# KiCad board jorian.kicad_pcb
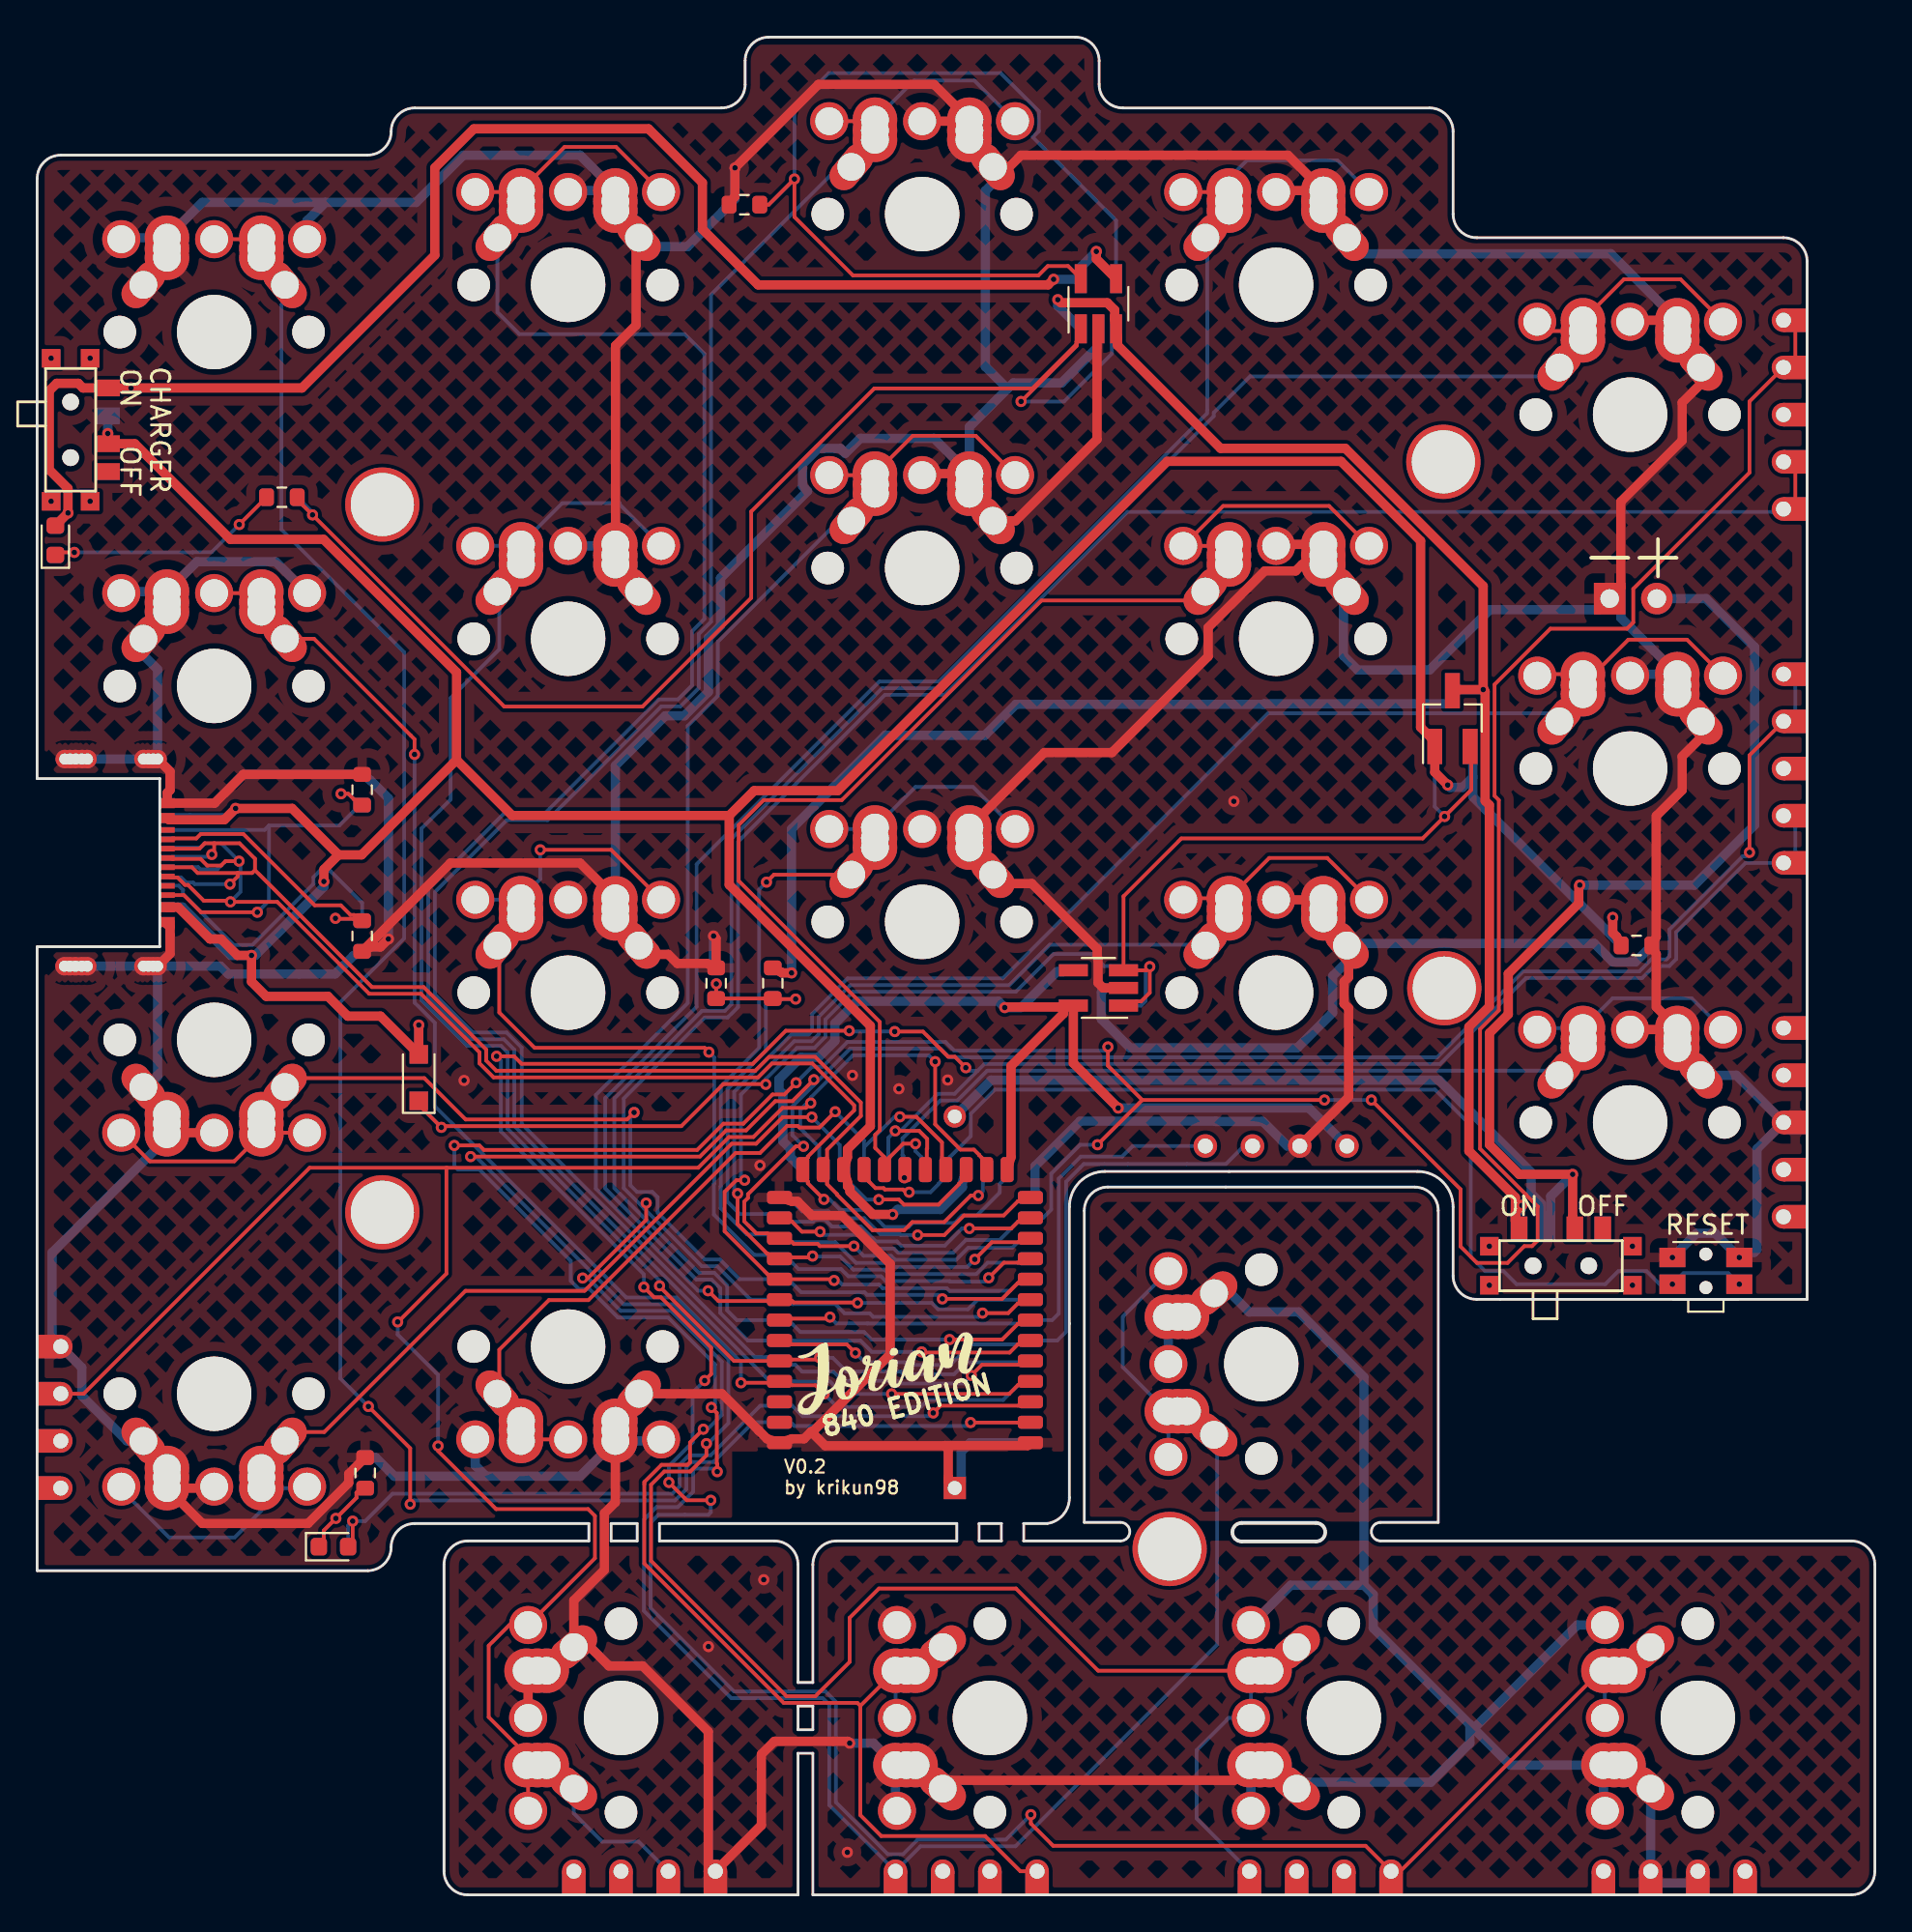
[diagram p0: board, top side]
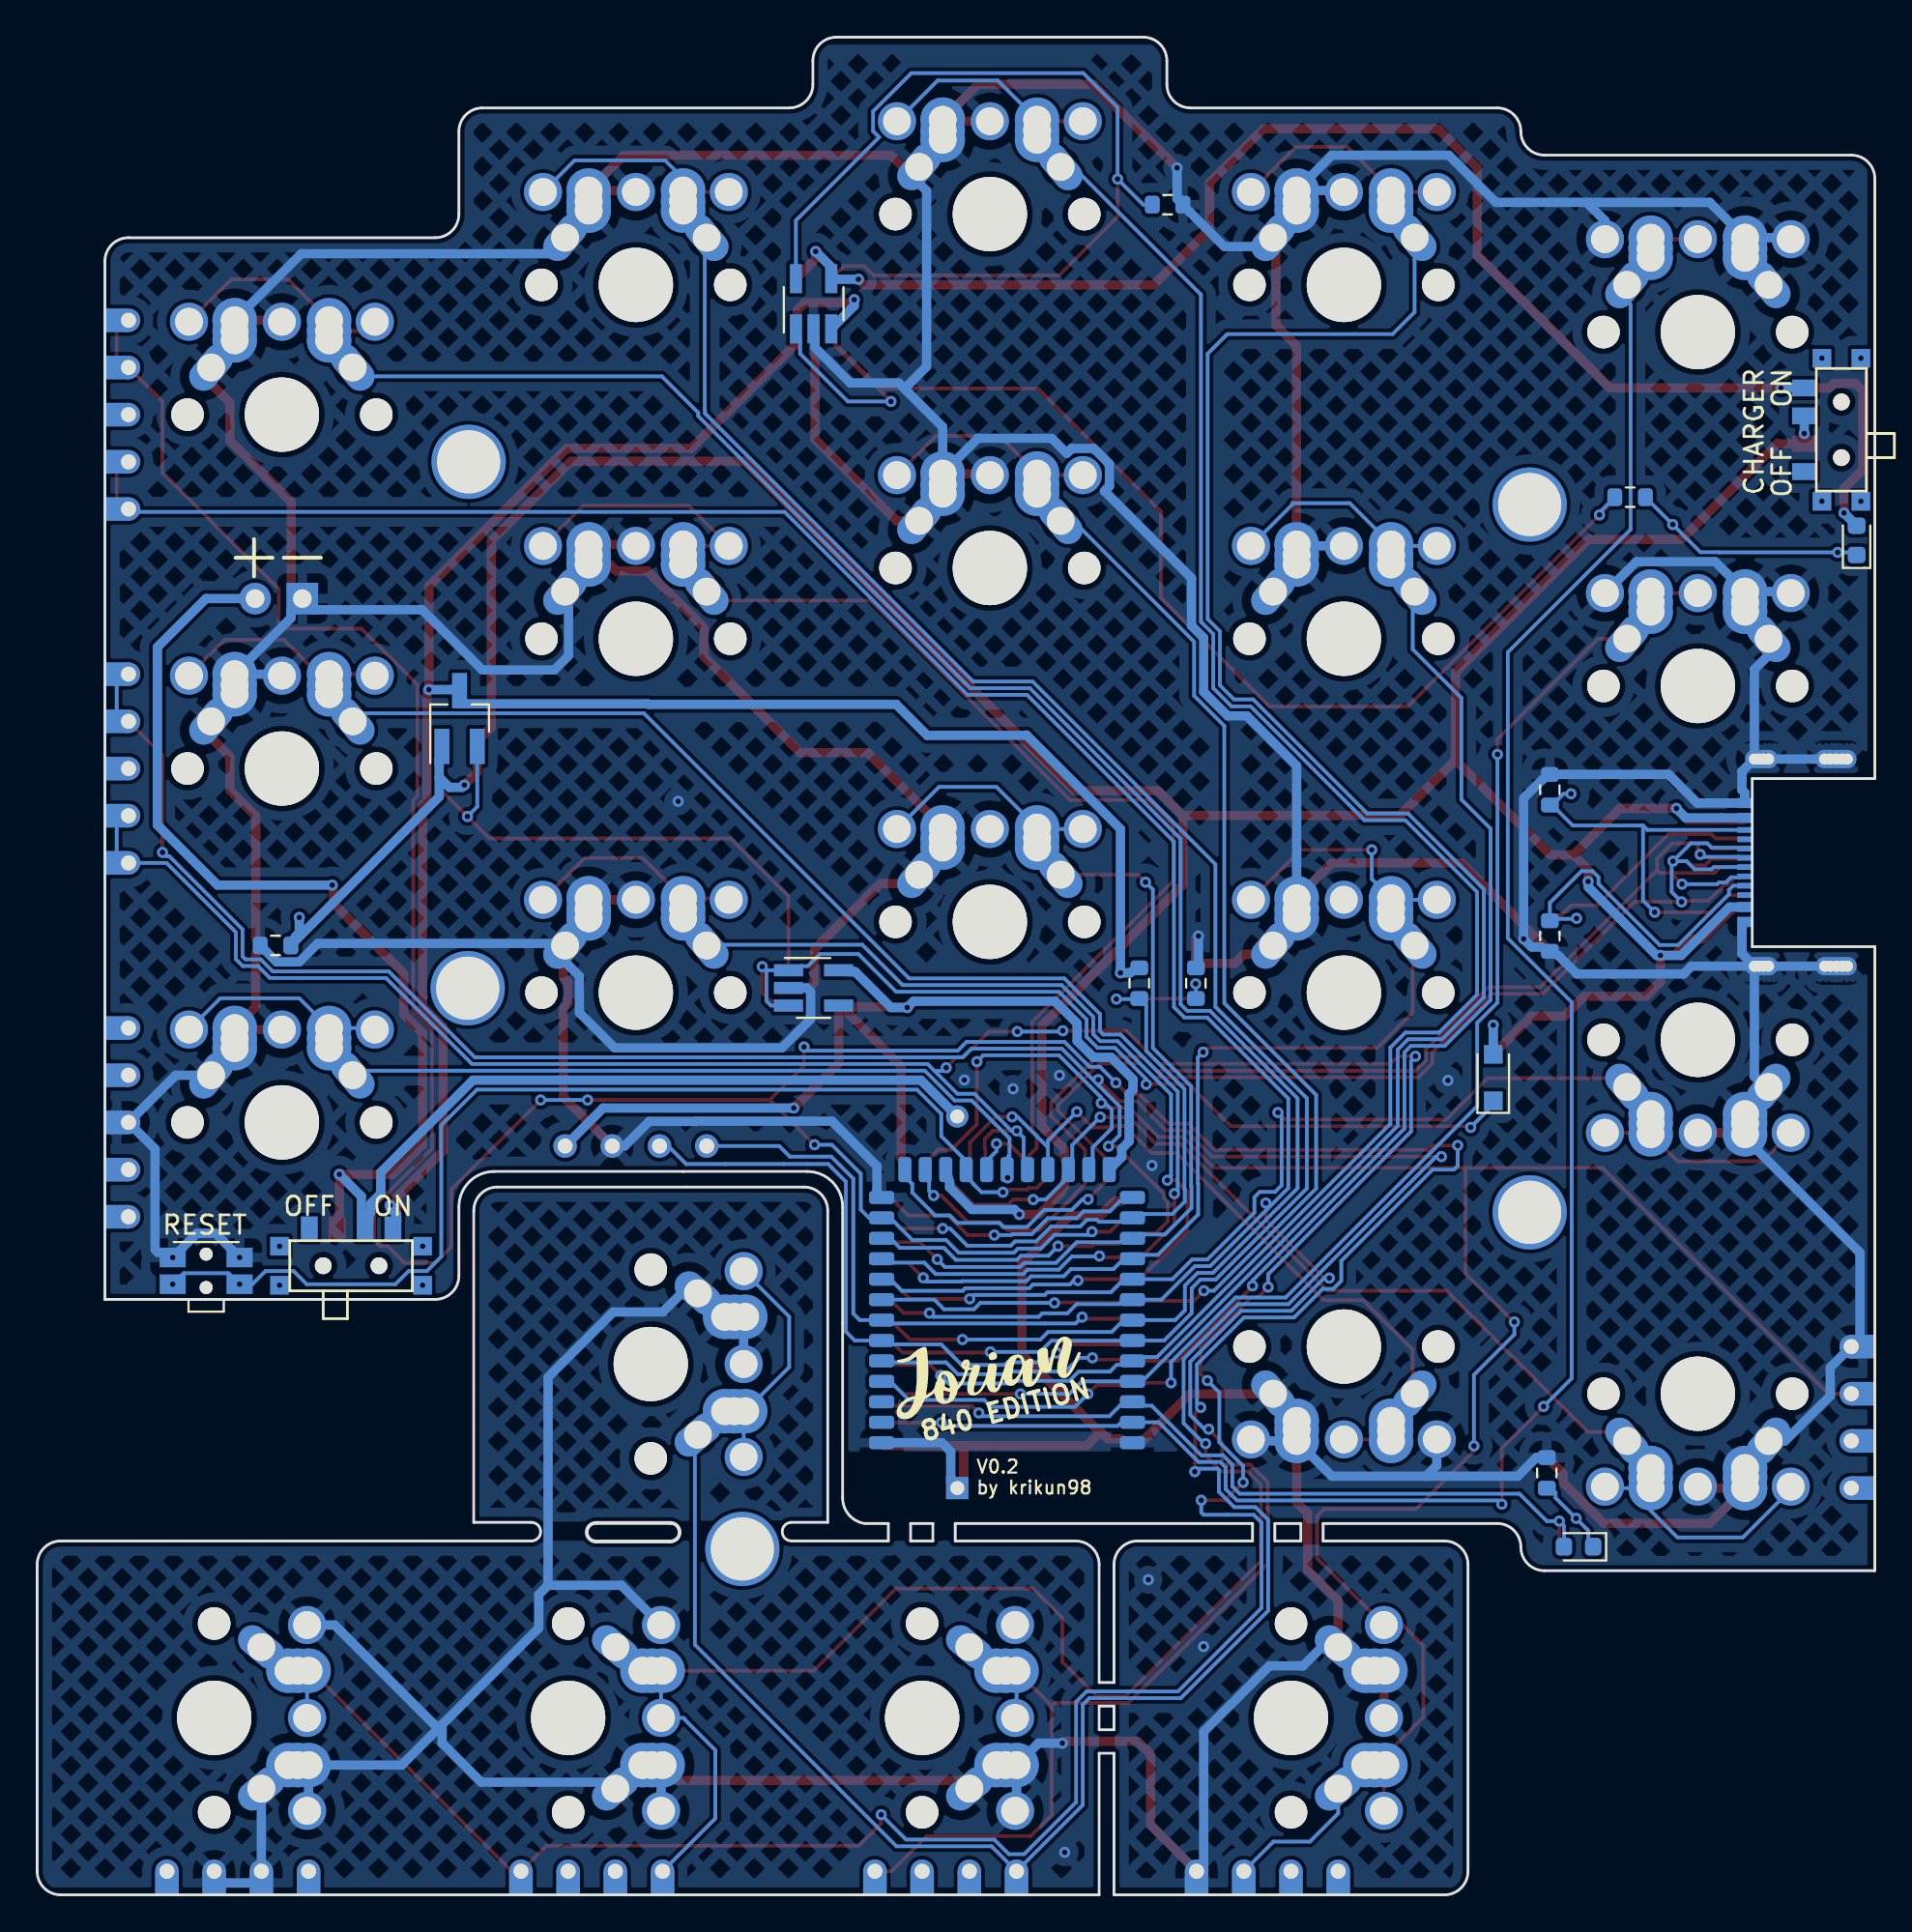
[diagram p1: board, bottom side, seen from below]

Outline 98.89 x 100 mm; copper layers: Top, Bottom. Coordinates in mm from the lower left corner of the outline.
Outline path: 0,92.38 arc(0.37,93.28) 1.27,93.65 17.78,93.65 arc(18.68,94.02) 19.05,94.92 arc(19.42,95.82) 20.32,96.19 36.83,96.19 arc(37.73,96.56) 38.1,97.46 38.1,98.73 arc(38.47,99.63) 39.37,100 55.88,100 arc(56.78,99.63) 57.15,98.73 57.15,97.46 arc(57.52,96.56) 58.42,96.19 74.93,96.19 arc(75.83,95.82) 76.2,94.92 76.2,90.48 arc(76.57,89.58) 77.47,89.21 93.98,89.21 arc(94.88,88.83) 95.25,87.94 95.25,32.06 77.47,32.06 arc(76.57,32.43) 76.2,33.33 76.2,37.04 arc(75.64,38.38) 74.29,38.94 57.46,38.94 arc(56.11,38.38) 55.55,37.04 55.55,21.37 arc(55.21,20.46) 54.36,19.99 53.09,19.99 53.09,19.05 58.3,19.05 arc(58.8,19.55) 58.3,20.05 56.35,20.05 56.35,36.83 arc(56.72,37.73) 57.62,38.1 74.13,38.1 arc(75.03,37.73) 75.4,36.83 75.4,20.05 72.3,20.05 arc(71.8,19.55) 72.3,19.05 97.62,19.05 arc(98.52,18.68) 98.89,17.78 98.89,1.27 arc(98.52,0.37) 97.62,0 41.74,0 41.74,7.62 40.95,7.62 40.95,0 23.16,0 arc(22.27,0.37) 21.9,1.27 21.9,17.78 arc(22.27,18.68) 23.16,19.05 29.69,19.05 29.69,19.99 20.32,19.99 arc(19.42,19.62) 19.05,18.72 arc(18.68,17.82) 17.78,17.45 0,17.45 0,51.04 6.6,51.04 6.6,60.09 0,60.09 0,92.38 ; 30.89,19.99 30.89,19.05 32.29,19.05 32.29,19.99 30.89,19.99 ; 33.49,19.99 33.49,19.05 39.68,19.05 arc(40.57,18.68) 40.95,17.78 40.95,11.43 41.74,11.43 41.74,17.78 arc(42.12,18.68) 43.02,19.05 49.49,19.05 49.49,19.99 33.49,19.99 ; 40.95,10.16 40.95,8.89 41.74,8.89 41.74,10.16 40.95,10.16 ; 50.69,19.99 50.69,19.05 51.89,19.05 51.89,19.99 50.69,19.99 ; 64.82,20.02 68.82,20.02 arc(69.32,19.52) 68.82,19.02 64.82,19.02 arc(64.32,19.52) 64.82,20.02
Stack: Top 0.035mm / dielectric 1.51mm FR4 er 4.5 / Bottom 0.035mm

## Placement (name value [footprint] x y rotation side)
BT1  Battery Holder  [cr2032_bs-7]  49.37 29.26 0 top
D1  RED  [LED_0603_1608Metric_REV]  0.98 72.92 90 top
D2  1N5819  [D_SOD-323_HandSoldering_REV]  20.54 43.99 90 top
D3  BLUE  [LED_0603_1608Metric_REV]  15.95 18.74 0 top
E5  left  [edge_conn_ext]  95.25 78.41 0 top
E10  left  [edge_conn_ext]  95.25 59.36 0 top
E15  left  [edge_conn_ext]  95.25 40.31 0 top
E16  right  [edge_conn]  0 25.71 180 bottom
E18  left  [edge_conn]  32.69 0 270 top
E19  right  [edge_conn]  50 0 270 bottom
E20  right  [edge_conn]  69.05 0 270 bottom
E21  right  [edge_conn]  88.1 0 270 bottom
G1  Logo_Open_Hardware_Small  [jorian_logo_840]  46.78 27.59 0 top
G2  Logo_Open_Hardware_Small  [jorian_logo_840]  46.78 27.36 180 bottom
HM1  CaseHole  [M2-MountingHole-Standoff]  18.58 74.84 0 top
HM2  CaseHole  [M2-MountingHole-Standoff]  75.68 77.14 0 top
HM3  CaseHole  [M2-MountingHole-Standoff]  18.58 36.74 0 top
HM4  CaseHole  [M2-MountingHole-Standoff]  75.72 48.81 0 top
HM5  CaseHole  [M2-MountingHole-Standoff]  60.95 18.62 90 top
J1  USB-C Conn  [USB-C_C168688_REV]  0 55.57 90 top
J2  Ex_Bat  [Battery_TH]  84.62 69.78 90 top
JP16  SWD_conn  [connector_swd]  66.68 40.31 180 top
Q1  AO3407  [SOT-23_Handsoldering_REV]  76.16 63.32 90 top
R1  5.1K  [R_0603_1608Metric_REV]  17.49 59.49 90 top
R2  5.1K  [R_0603_1608Metric_REV]  17.49 51.61 270 top
R3  1K  [R_0603_1608Metric_REV]  13.17 75.24 0 top
R4  RPROG  [R_0603_1608Metric_REV]  38.06 90.98 180 top
R5  820K  [R_0603_1608Metric_REV]  39.59 49.07 270 top
R6  2M  [R_0603_1608Metric_REV]  36.54 49.07 90 top
R7  100K  [R_0603_1608Metric_REV]  86.07 51.11 0 top
R8  1K  [R_0603_1608Metric_REV]  17.65 22.72 90 top
RSW1  SW_PUSH  [SW_SPST_EVQP7C_REV]  89.8 33.59 0 top
SW1  SW_PUSH  [MX-Alps-Omron-1U-REV]  9.52 84.13 0 top
SW2  SW_PUSH  [MX-Alps-Omron-1U-REV]  28.57 86.67 0 top
SW3  SW_PUSH  [MX-Alps-Omron-1U-REV]  47.63 90.48 0 top
SW4  SW_PUSH  [MX-Alps-Omron-1U-REV]  66.68 86.67 0 top
SW5  SW_PUSH  [MX-Alps-Omron-1U-REV]  85.72 79.68 0 top
SW6  SW_PUSH  [MX-Alps-Omron-1U-REV]  9.52 65.08 0 top
SW7  SW_PUSH  [MX-Alps-Omron-1U-REV]  28.57 67.62 0 top
SW8  SW_PUSH  [MX-Alps-Omron-1U-REV]  47.63 71.43 0 top
SW9  SW_PUSH  [MX-Alps-Omron-1U-REV]  66.68 67.62 0 top
SW10  SW_PUSH  [MX-Alps-Omron-1U-REV]  85.72 60.63 0 top
SW11  SW_PUSH  [MX-Alps-Omron-1U-REV]  9.52 46.03 180 top
SW12  SW_PUSH  [MX-Alps-Omron-1U-REV]  28.57 48.57 0 top
SW13  SW_PUSH  [MX-Alps-Omron-1U-REV]  47.63 52.38 0 top
SW14  SW_PUSH  [MX-Alps-Omron-1U-REV]  66.68 48.57 0 top
SW15  SW_PUSH  [MX-Alps-Omron-1U-REV]  85.72 41.58 0 top
SW16  SW_PUSH  [MX-Alps-Omron-1U-REV]  9.52 26.98 180 top
SW17  SW_PUSH  [MX-Alps-Omron-1U-REV]  28.57 29.52 180 top
SW18  SW_PUSH  [MX-Alps-Omron-1U-REV]  31.42 9.53 90 top
SW19  SW_PUSH  [MX-Alps-Omron-1U-REV]  51.27 9.53 90 top
SW20  SW_PUSH  [MX-Alps-Omron-1U-REV]  70.32 9.53 90 top
SW21  SW_PUSH  [MX-Alps-Omron-1U-REV]  89.37 9.53 90 top
SW22  SW_PUSH  [MX-Alps-Omron-1U-REV]  65.88 28.58 90 top
SW23  SW_SPDT  [SW_SPDT+H-MSK12C01_hor(7pin_SMD)_REV]  82 33.87 0 top
SW24  SW_SPDT  [SW_SPDT+H-MSK12C01_hor(7pin_SMD)_REV]  1.8 78.87 270 top
U1  Holyiot-18010  [Holyiot-18010-nRF52840-REV]  46.7 30.04 180 top
U2  TP4054  [SOT-23-5_HandSoldering_REV]  57.11 85.65 90 top
U3  XC6220B331MR-G  [SOT-23-5_HandSoldering_REV]  57.11 48.82 180 top

## Footprints (pads in the part's own frame, mm; a bottom-side part is the same pattern mirrored in y, then rotated)
Battery_TH
  rect 1.7x1.7 hole 1: 1(0,0)
  oval 1.7x1.7 hole 1: 2(0,-2.54)
connector_swd
  round 1.27 hole 0.81: 1(-3.81,0) 2(-1.27,0) 3(1.27,0) 4(3.81,0)
cr2032_bs-7
  round 1.2 hole 0.75: 1(0.015,12.639)
  rect 1.2x1.2 hole 0.75: 2(0.015,-7.361)
D_SOD-323_HandSoldering_REV
  rect 1x1 smd: 1(-1.25,0) 2(1.25,0)
  rect 1x1 smd far side: 1(-1.25,0) 2(1.25,0)
edge_conn
  round 1.27 hole 0.81: 1(-1.27,3.81) 2(-1.27,1.27) 3(-1.27,-1.27) 4(-1.27,-3.81)
  rect 1.27x1.27 smd: 1(-0.635,3.81) 2(-0.635,1.27) 3(-0.635,-1.27) 4(-0.635,-3.81)
  rect 1.27x1.27 smd far side: 1(-0.635,3.81) 2(-0.635,1.27) 3(-0.635,-1.27) 4(-0.635,-3.81)
edge_conn_ext
  round 1.27 hole 0.81: 1(-1.27,6.35) 2(-1.27,3.81) 3(-1.27,1.27) 4(-1.27,-1.27) 5(-1.27,-3.81)
  rect 1.27x1.27 smd: 1(-0.635,6.35) 2(-0.635,3.81) 3(-0.635,1.27) 4(-0.635,-1.27) 5(-0.635,-3.81)
  rect 1.27x1.27 smd far side: 1(-0.635,6.35) 2(-0.635,3.81) 3(-0.635,1.27) 4(-0.635,-1.27) 5(-0.635,-3.81)
Holyiot-18010-nRF52840-REV
  rrect 1.35x0.7 smd: 1(-6.75,5.7) 2(-6.75,4.6) 3(-6.75,3.5) 4(-6.75,2.4) 5(-6.75,1.3) 6(-6.75,0.2) 7(-6.75,-0.9) 8(-6.75,-2) 9(-6.75,-3.1) 10(-6.75,-4.2) 11(-6.75,-5.3) 12(-6.75,-6.4) 13(-6.75,-7.5) 25(6.75,-7.5) 26(6.75,-6.4) 27(6.75,-5.3) 28(6.75,-4.2) 29(6.75,-3.1) 30(6.75,-2) 31(6.75,-0.9) 32(6.75,0.2) 33(6.75,1.3) 34(6.75,2.4) 35(6.75,3.5) 36(6.75,4.6) 37(6.75,5.7)
  rrect 1.35x0.7 smd far side: 1(6.75,5.7) 2(6.75,4.6) 3(6.75,3.5) 4(6.75,2.4) 5(6.75,1.3) 6(6.75,0.2) 7(6.75,-0.9) 8(6.75,-2) 9(6.75,-3.1) 10(6.75,-4.2) 11(6.75,-5.3) 12(6.75,-6.4) 13(6.75,-7.5) 25(-6.75,-7.5) 26(-6.75,-6.4) 27(-6.75,-5.3) 28(-6.75,-4.2) 29(-6.75,-3.1) 30(-6.75,-2) 31(-6.75,-0.9) 32(-6.75,0.2) 33(-6.75,1.3) 34(-6.75,2.4) 35(-6.75,3.5) 36(-6.75,4.6) 37(-6.75,5.7)
  rrect 0.7x1.35 smd: 14(-5.5,-9) 15(-4.4,-9) 16(-3.3,-9) 17(-2.2,-9) 18(-1.1,-9) 19(0,-9) 20(1.1,-9) 21(2.2,-9) 22(3.3,-9) 23(4.4,-9) 24(5.5,-9)
  rrect 0.7x1.35 smd far side: 14(5.5,-9) 15(4.4,-9) 16(3.3,-9) 17(2.2,-9) 18(1.1,-9) 19(0,-9) 20(-1.1,-9) 21(-2.2,-9) 22(-3.3,-9) 23(-4.4,-9) 24(-5.5,-9)
LED_0603_1608Metric_REV
  rrect 0.875x0.95 smd far side: 1(-0.793,0) 2(0.782,0)
  rrect 0.875x0.95 smd: 1(-0.787,0) 2(0.787,0)
M2-MountingHole-Standoff
  round 4 hole 3.4: (0,0)
MX-Alps-Omron-1U-REV
  round 1.75 hole 1.75 unplated: (-5.08,0) (5.08,0)
  round 4 hole 4 unplated: (0,0)
  round 2.05 hole 1.5: 1(-5,5) 1(5,5) 2(0,5)
  oval 2.8x1.55 hole 1.5 rot 50: 1(-3.81,2.54)
  round 2.4 hole 1.5: 1(-2.54,5.08) 1(-2.54,4.5) 1(-2.54,4) 2(2.54,5.08) 2(2.54,4.5) 2(2.54,4)
  oval 2.8x1.55 hole 1.5 rot 130: 2(3.81,2.54)
R_0603_1608Metric_REV
  rrect 0.8x0.95 smd: 1(-0.825,0) 2(0.825,0)
  rrect 0.8x0.95 smd far side: 1(-0.825,0) 2(0.825,0)
SOT-23-5_HandSoldering_REV
  rect 1.56x0.65 smd: 1(-1.35,0.95) 2(-1.35,0) 3(-1.35,-0.95) 4(1.35,-0.95) 5(1.35,0.95)
  rect 1.56x0.65 smd far side: 1(-1.35,-0.95) 2(-1.35,0) 3(-1.35,0.95) 4(1.35,0.95) 5(1.35,-0.95)
SOT-23_Handsoldering_REV
  rect 1.9x0.8 smd: 1(-1.5,0.95) 2(-1.5,-0.95) 3(1.5,0)
  rect 1.9x0.8 smd far side: 1(-1.5,-0.95) 2(-1.5,0.95) 3(1.5,0)
SW_SPDT+H-MSK12C01_hor(7pin_SMD)_REV
  round 0.9 hole 0.9 unplated: (-1.5,0) (1.5,0)
  rect 0.9x1.3 smd: 1(-2.25,2) 2(0.75,2) 3(2.25,2)
  rect 0.9x1.3 smd far side: 1(-2.25,2) 2(-0.75,2) 3(2.25,2)
  rect 1x1 smd: H(-3.85,1.05) H(-3.85,-1.05) H(3.85,1.05) H(3.85,-1.05)
  rect 1x1 smd far side: H(-3.85,1.05) H(-3.85,-1.05) H(3.85,1.05) H(3.85,-1.05)
SW_SPST_EVQP7C_REV
  round 0.7 hole 0.7 unplated: (0,0.9) (0,-0.9)
  rect 1.4x1.05 smd: 1(-1.8,-0.72) 1(1.8,-0.72) 2(-1.8,0.72) 2(1.8,0.72)
  rect 1.4x1.05 smd far side: 1(-1.8,-0.72) 1(1.8,-0.72) 2(-1.8,0.72) 2(1.8,0.72)
USB-C_C168688_REV
  rect 0.54x0.8 smd: A1(-3.2,-7) A1(3.2,-7) A4(-2.4,-7) A4(2.4,-7)
  rect 0.54x0.8 smd far side: A1(-3.19,-7) A1(3.21,-7) A4(-2.39,-7) A4(2.41,-7)
  rect 0.3x0.8 smd far side: A5(-1.24,-7) A6(-0.24,-7) A7(0.26,-7) A8(1.26,-7) B5(1.76,-7) B6(0.76,-7) B7(-0.74,-7) B8(-1.748,-7)
  rect 0.3x0.8 smd: A5(1.25,-7) A6(0.25,-7) A7(-0.25,-7) A8(-1.25,-7) B5(-1.75,-7) B6(-0.75,-7) B7(0.75,-7) B8(1.758,-7)
  round 1 hole 0.6: S1(-5.576,-1.473) S1(-5.575,-1.753) S1(-5.575,-2.057) S1(-5.575,-2.4) S1(-5.575,-2.692) S1(-5.575,-6.236) S1(-5.575,-5.719) S1(-5.575,-5.982) S1(-5.575,-6.481) S1(5.575,-1.486) S1(5.575,-1.765) S1(5.575,-2.07) S1(5.575,-2.413) S1(5.575,-2.705) S1(5.575,-6.236) S1(5.576,-5.719) S1(5.576,-5.982) S1(5.576,-6.481)

## Nets
GND: BT1.2 E15.3 E16.1 E18.1 E21.2 E21.3 J1.A1 J1.S1 J2.1 JP16.2 R1.2 R2.2 R4.2 R6.2 R7.2 R8.2 RSW1.2 SW1.1 SW2.2 SW3.2 SW4.2 SW5.2 SW6.1 SW7.2 SW8.2 SW9.2 SW10.2 SW11.2 SW12.2 SW13.2 SW14.2 SW15.2 SW16.2 SW17.1 SW18.2 SW19.1 SW20.1 SW21.1 SW22.2 U1.1 U1.25 U1.37 U2.2 U3.2
VBAT: BT1.1 J2.2 SW23.2
VBAT2: Q1.3 R5.1 SW23.1 U2.3
VBUS: D2.2 J1.A4 Q1.1 R7.1 SW24.2 U1.22
VBUS_C: D1.2 SW24.1 U2.4
BATTERY_PIN: R5.2 R6.1 U1.12
BLUE_LED: D3.2 U1.3
CC1: J1.A5 R2.1
CC2: J1.B5 R1.1
DATA+: J1.A6 J1.B6 U1.24
DATA-: J1.A7 J1.B7 U1.23
nRF_VDD: JP16.1 U1.14 U3.5
PROG: U1.13
R1C1: E5.4 E5.5 E19.4 SW19.2 U1.8
R1C2: SW5.1 U1.7
R1C3: SW4.1 U1.6
R1C4: SW3.1 U1.5
R1C5: SW2.1 U1.4
R1C6: SW1.2 U1.2
R2C0: E5.1 E5.2 E19.1 SW22.1 U1.26
R2C1: E10.1 E10.2 E20.1 SW20.2 U1.27
R2C2: SW10.1 U1.28
R2C3: SW9.1 U1.20
R2C4: SW8.1 U1.30
R2C5: SW7.1 U1.33
R2C6: SW6.2 U1.34
R3C1: E10.4 E10.5 E20.4 SW21.2 U1.18
R3C2: SW15.1 U1.19
R3C3: SW14.1 U1.29
R3C4: SW13.1 U1.11
R3C5: SW12.1 U1.10
R3C6: SW11.1 U1.9
R4C5: SW17.2 U1.17
R4C6: SW16.1 U1.16
R4C7: E16.2 E18.2 SW18.1 U1.15
reset: RSW1.1 U1.21
SWC: JP16.4 U1.31
SWD: JP16.3 U1.32
Net-(D1-Pad1): D1.1 R3.1
Net-(D2-Pad1): D2.1 Q1.2 U3.1 U3.3
Net-(D3-Pad1): D3.1 R8.1
Net-(R3-Pad2): R3.2 U2.1
Net-(R4-Pad1): R4.1 U2.5

Pads without a net: E5 3; E10 3; E15 1 2 4 5; E16 3 4; E18 3 4; E19 2 3; E20 2 3; E21 1 4; J1 A8 B8; SW23 3 H; SW24 3 H; U1 35 36; U3 4

## Via types
v1: diameter 0.6, hole 0.3, Top to Bottom, 137 vias

## Routing (per net, layer and track width the routed paths; a pad name or vN(x,y) marks a point on that pad's centre or on a via; arc(x,y) is an arc through that point)
GND: length 858.3
  Top w0.5: SW2.2 32.23,89.05 32.23,84.5 31.12,83.39 31.12,72.7 SW7.2 ; U3.2 57.37,48.82 57.09,49.09 57.09,50.4 ; 7.15,52.1 7.15,51.66 7.15,51.66 7.15,50.66 J1.S1 ; 7.15,52.1 7,52.25 J1.A1 ; 7.15,52.1 7.15,52.35 ; SW10.2 89.94,62.69 88.53,61.28 88.53,59.47 87.13,58.08 87.13,51.57 R7.2 87.13,50.64 87.13,47.79 SW15.2 88.19,46.58 SW15.2 ; SW12.2 29.21,55.55 22.25,55.55 R2.2 17.96,51.03 18.47,51.03 v1(18.9,51.46) ; SW5.2 89.94,81.74 88.53,80.33 88.53,78.29 85.22,74.99 85.22,70.38 J2.1 ; SW9.2 68.07,71.62 67.72,71.27 66.06,71.27 63.02,68.22 63.02,66.67 57.84,61.49 54.2,61.49 SW13.2 ; SW3.2 50.09,95.48 SW3.2 48.26,97.46 42.04,97.46 v1(37.55,92.96) 37.55,91.43 37.55,91.42 R4.2 ; SW8.2 52.65,73.97 57.04,78.35 57.04,83.77 U2.2 ; SW5.2 85.81,84.76 SW5.2 ; SW14.2 69.13,53.57 SW14.2 ; SW17.1 36.85,26.98 38.83,25 38.83,25 39.28,24.55 39.28,24.55 U1.1 40.62,24.55 41.27,24.55 41.65,24.93 ; SW16.2 9.45,21.9 SW16.2 8.89,19.99 14.58,19.99 16.77,22.18 16.77,22.66 R8.2 ; SW4.2 66.75,91.75 SW4.2 67.31,93.65 52.95,93.65 51.84,92.54 SW3.2 ; E18.1 38.98,3.75 38.98,7.57 39.68,8.27 43.63,8.27 v1(43.73,8.17) ; J1.S1 7.15,60.47 7.15,59.47 7,59.32 J1.A1 9.55,58.77 11.09,60.31 R1.2 ; SW17.1 31.12,21.13 30.52,20.54 30.52,17.49 28.88,15.85 28.88,13.34 29.36,13.74 30.77,12.33 32.58,12.33 36.12,8.79 36.12,1.27 E18.1 ; SW9.2 66.75,72.7 SW9.2 ; SW13.2 51.84,54.44 53.53,54.44 57.05,50.92 57.05,50.4 ; SW18.2 26.42,11.99 SW18.2 ; 48.83,24.18 49.03,23.98 49.03,22.25 BT1.2 ; 48.83,24.18 42.41,24.18 41.65,24.93 ; 48.83,24.18 48.84,24.19 53.3,24.19 U1.1 ; JP16.2 70.57,42.94 70.57,47.73 70.33,47.97 70.33,49.16 70.57,49.4 70.57,50.31 70.89,50.63 SW14.2 ; SW20.1 64.42,6.17 49.18,6.17 SW19.1 ; SW8.2 47.71,76.51 SW8.2 ; U1.25 40.62,37.33 40.92,37.33 41.68,36.57 43.31,36.57 45.9,33.97 45.9,29.1 41.73,24.93 41.65,24.93 ; v1(36.4,51.62) 36.54,51.48 R6.2 36.07,50.14 34.45,50.14 33.96,50.63 32.79,50.63 SW12.2 ; SW11.2 7.07,41.03 SW11.2
  Bottom w0.5: SW14.2 70.59,51.21 83.8,51.21 84.79,50.22 86.01,50.22 R7.2 ; SW14.2 70.89,50.63 69.72,49.45 69.72,47.49 67.82,45.59 58.81,45.59 57.27,47.13 57.27,48.6 57.49,48.82 U3.2 ; SW14.2 70.08,51.58 69.22,52.45 SW14.2 SW14.2 SW14.2 ; 15.51,91.11 14.52,90.12 SW1.1 ; 15.51,91.11 8.89,91.11 SW1.1 ; 15.51,91.11 20.39,91.11 22.93,93.65 29.21,93.65 SW2.2 ; E21.2 E21.3 ; J1.S1 7.15,60.47 7.15,59.48 7,59.33 J1.A1 9.56,58.78 11.09,60.31 R1.2 17.93,60 18.9,59.03 v1(18.9,51.46) 18.47,51.03 17.96,51.03 R2.2 17.02,50.55 17.01,50.55 16.03,49.57 10.29,49.57 9.87,49.99 J1.S1 ; J1.S1 6.48,65.97 5.31,67.14 SW6.1 6.12,68.09 6.12,68.21 SW6.1 SW6.1 SW6.1 ; J1.S1 J1.S1 J1.S1 J1.S1 J1.S1 J1.S1 J1.S1 J1.S1 1.77,61.14 J1.S1 ; SW8.2 48.26,78.41 44.3,78.41 43.49,77.59 43.22,77.86 42.03,77.86 41.19,77.02 41.19,75.83 41.46,75.56 36.77,70.88 36.77,68.32 36.12,67.67 36.12,64.76 34.83,63.47 33.8,63.47 31.12,60.78 SW12.2 SW12.2 SW12.2 31.12,52.45 31.98,51.58 SW12.2 ; SW8.2 50.16,79.02 52.22,81.08 ; SW8.2 SW8.2 SW8.2 50.16,75.31 51.03,74.44 SW8.2 ; 77.31,8.95 77.1,9.17 ; 77.31,8.95 82.88,14.53 84.37,14.53 ; 77.31,8.95 79.28,6.99 84.29,6.99 ; 77.1,9.17 71.9,14.37 71.9,16.17 71.4,16.67 ; 77.1,9.17 77.1,8.17 75,6.07 68.13,6.07 67.78,5.72 ; 84.29,6.99 85.37,6.99 86.24,6.12 86.35,6.12 86.83,5.72 E21.2 ; 84.29,6.99 84.29,4.61 84.37,4.53 ; SW17.1 29.21,22.53 24.16,22.53 ; SW17.1 SW17.1 SW17.1 31.12,25.63 31.98,26.5 SW17.1 ; SW17.1 33.49,24.44 SW17.1 ; SW5.2 89.13,82.7 88.26,83.57 SW5.2 SW5.2 SW5.2 84.68,88.34 71.27,88.34 70.89,88.73 SW4.2 70.08,89.68 69.22,90.55 SW4.2 SW4.2 SW4.2 ; SW3.2 SW3.2 SW3.2 50.16,94.36 51.03,93.49 SW3.2 51.84,92.54 51.03,91.73 51.03,82.27 52.22,81.08 ; E18.1 36.12,1.27 36.12,8.79 32.58,12.33 30.77,12.33 29.36,13.74 28.4,12.93 27.53,12.07 SW18.2 SW18.2 SW18.2 ; SW2.2 28.66,91.75 SW2.2 ; SW2.2 SW2.2 SW2.2 31.12,90.55 31.98,89.68 SW2.2 ; SW10.2 85.81,65.71 SW10.2 ; SW10.2 SW10.2 SW10.2 88.26,64.52 89.13,63.65 SW10.2 ; SW10.2 85.22,68.75 85.22,69.18 J2.1 84.03,69.18 78.18,69.18 74.94,65.94 71.06,65.94 70.3,66.7 70.3,70.53 SW9.2 ; 24.16,22.53 23.57,23.12 SW17.1 ; 24.16,22.53 19.22,22.53 18.22,23.54 R8.2 ; SW7.2 31.04,72.62 SW7.2 ; U1.25 53.7,37.64 53.7,39.23 56.12,41.65 63.42,41.65 63.43,41.63 65.95,41.63 67.28,40.31 JP16.2 ; 52.22,81.08 52.53,81.39 55.13,81.39 57.04,83.29 57.04,83.77 U2.2 ; SW9.2 70.08,70.63 69.22,71.5 SW9.2 ; SW6.1 4.61,70.16 SW6.1 ; SW6.1 8.59,71.76 12.84,71.76 SW6.1 ; SW1.1 4.61,89.21 SW1.1 ; SW1.1 SW1.1 SW1.1 6.12,87.26 6.12,87.14 SW1.1 ; 32.79,88.73 SW2.2 ; 32.79,88.73 SW2.2 ; 32.79,88.73 35,88.73 36.87,90.6 R4.2 37.55,91.3 v1(37.55,92.96) ; SW20.1 65.32,6.91 SW20.1 ; SW9.2 SW9.2 SW9.2 ; v1(88,34.31) 89.3,35.61 90.3,35.61 v1(91.6,34.31) 92.05,34.59 92.4,34.59 92.55,34.73 92.55,40.15 E15.3 91.44,44.12 SW15.2 89.13,44.6 88.26,45.47 SW15.2 SW15.2 SW15.2 ; SW7.2 31.98,70.63 31.12,71.5 SW7.2 SW7.2 SW7.2 ; SW16.2 SW16.2 SW16.2 6.12,23.84 6.12,23.96 SW16.2 4.83,24.44 2.4,26.87 2.4,28.39 E16.1 0.8,29.99 0.8,34.57 6.98,40.75 SW11.2 SW11.2 SW11.2 6.12,42.89 6.12,43.01 SW11.2 5.92,43.49 6.48,44.05 J1.S1 ; J1.S1 7.15,50.66 7.15,51.67 7.15,51.67 7.15,52.11 ; J1.S1 6.48,49.99 J1.S1 5.98,49.99 J1.S1 J1.S1 5.72,49.99 J1.S1 J1.S1 J1.S1 J1.S1 J1.S1 ; R6.2 36.4,50.04 v1(36.4,51.62) ; U1.1 50.22,24.34 49.73,23.85 49.73,22.25 BT1.2 ; SW7.2 31.38,72.96 ; 71.4,16.67 71.4,27.87 67.89,31.38 65.23,31.38 63.81,32.79 SW22.2 62.86,31.98 61.99,31.12 SW22.2 SW22.2 SW22.2 60.88,31.04 SW22.2 ; 71.4,16.67 67.46,16.67 SW20.1 ; 1.37,29.13 1.02,29.13 E16.1 ; SW19.1 SW19.1 SW19.1 48.14,6.12 48.25,6.12 SW19.1 ; SW19.1 45.01,8.17 v1(43.73,8.17) ; SW19.1 46.19,4.61 SW19.1 ; SW13.2 SW13.2 SW13.2 50.16,56.26 51.03,55.39 SW13.2